# KiCad board EOutside.kicad_pcb (continued)
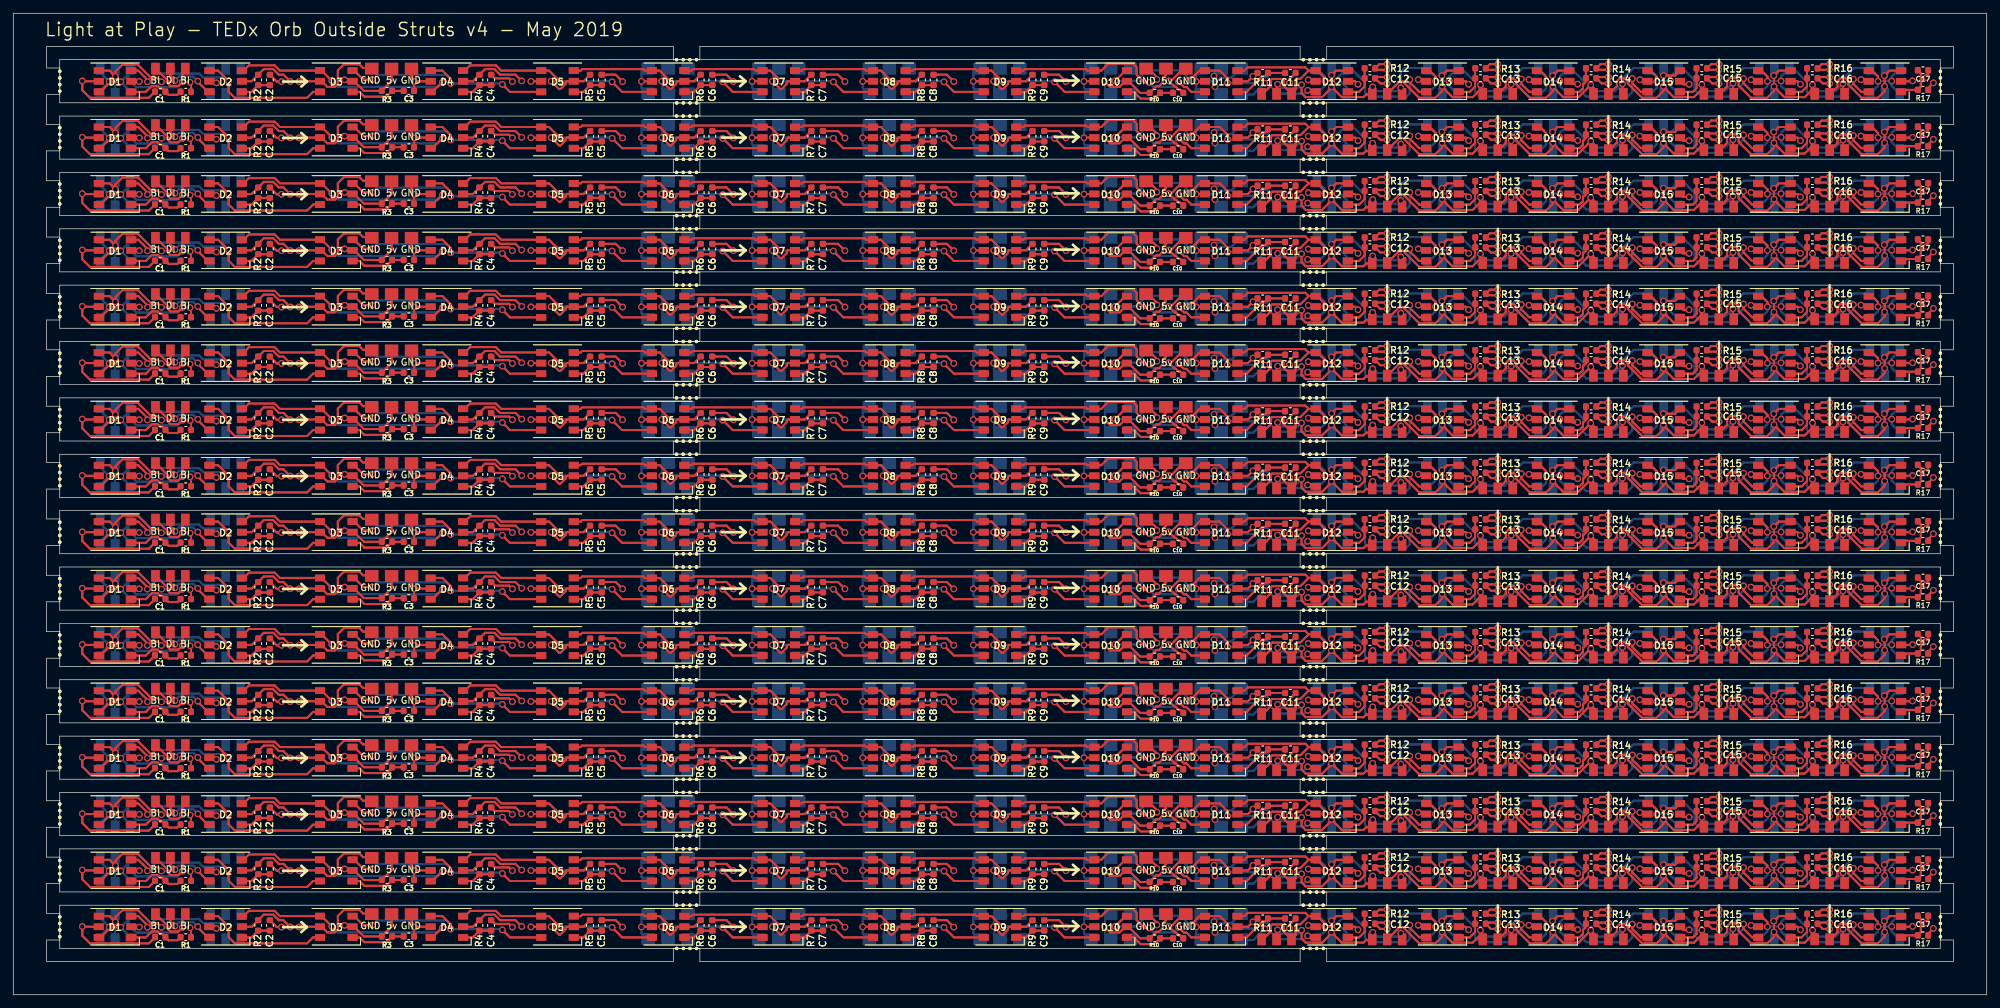
[diagram p0: board, top side]
## Routing (per net, layer and track width the routed paths; a pad name or vN(x,y) marks a point on that pad's centre or on a via; arc(x,y) is an arc through that point) (continued)
; 172.3,138.37 v1(172.3,138.03) 172.3,138.37 ; 192.3,138.1 C11.2 192.3,138.1 ; 192.3,138.1 v1(192.3,137.53) 192.3,138.1 ; 175.6,136.46 175.19,136.88 ; 175.6,136.46 175.83,136.46 ; 175.6,136.46 175.19,136.88 ; 175.6,136.46 175.83,136.46 ; 175.19,136.88 175.03,136.88 ; 175.19,136.88 175.03,136.88 ; 195.17,137.75 D12.5 195.17,137.75 ; 195.17,137.75 195.12,137.8 ; 195.17,137.75 195.12,137.8 ; 195.12,137.8 v1(195.12,137.95) 195.12,137.8 ; 47.32,136.9 46.47,137.75 ; 47.32,136.9 48.43,136.9 ; 47.32,136.9 48.43,136.9 ; 47.32,136.9 46.47,137.75 ; 46.47,137.75 D3.5 ; 46.47,137.75 D3.5 ; 72.54,138.19 C4.2 72.54,138.19 ; 72.54,138.19 74.71,138.19 ; 72.54,138.19 74.71,138.19 ; 74.71,138.19 v1(75.2,137.7) 74.71,138.19 ; 175.83,136.46 C10.2 175.83,136.46 ; 52.7,139.75 52.15,140.3 ; 52.7,139.75 54,139.75 52.7,139.75 ; 52.7,139.75 52.15,140.3 ; 52.15,140.3 49.82,140.3 ; 52.15,140.3 49.82,140.3 ; 48.9,137.37 48.43,136.9 ; 48.9,137.37 48.9,139.38 ; 48.9,137.37 48.43,136.9 ; 48.9,137.37 48.9,139.38 ; 48.9,139.38 49.82,140.3 ; 48.9,139.38 49.82,140.3 ; D3.5 43.09,137.75 ; D3.5 43.09,137.75 ; 43.09,137.75 v1(43.05,137.71) 43.09,137.75 ; 39.69,137.7 C2.2 39.69,137.7 ; 39.69,137.7 39.71,137.7 ; 39.69,137.7 39.71,137.7 ; 39.71,137.7 v1(40.42,137.7) 39.71,137.7 ; 90.76,138.74 C5.2 90.76,138.74 ; 90.76,138.74 91.3,138.2 ; 90.76,138.74 91.3,138.2 ; 91.3,138.2 v1(91.8,137.7) 91.3,138.2 ; 107.46,138.74 C6.2 107.46,138.74 ; 107.46,138.74 108,138.2 ; 107.46,138.74 108,138.2 ; 140.66,138.74 141.2,138.2 ; 140.66,138.74 C8.2 140.66,138.74 ; 140.66,138.74 141.2,138.2 ; 141.2,138.2 v1(141.7,137.7) 141.2,138.2 ; 124.26,138.74 124.8,138.2 ; 124.26,138.74 C7.2 124.26,138.74 ; 124.26,138.74 124.8,138.2 ; 124.8,138.2 v1(125.3,137.7) 124.8,138.2 ; 108,138.2 v1(108.5,137.7) 108,138.2 ; 157.56,138.74 158.1,138.2 ; 157.56,138.74 C9.2 157.56,138.74 ; 157.56,138.74 158.1,138.2 ; 158.1,138.2 v1(158.6,137.7) 158.1,138.2 ; 272.02,104.38 273.67,104.38 272.02,104.38 ; 272.02,104.38 C16#11.2 ; 272.02,104.38 C16#11.2 ; C16#11.2 272.62,103.43 ; C16#11.2 271.9,104.25 C16#11.2 ; C16#11.2 272.62,103.43 ; 272.62,103.43 273.67,103.43 272.62,103.43 ; 255.96,103.43 C15#11.2 ; 255.96,103.43 257,103.43 255.96,103.43 ; 255.96,103.43 C15#11.2 ; C15#11.2 255.36,104.38 ; C15#11.2 255.23,104.25 C15#11.2 ; C15#11.2 255.36,104.38 ; 255.36,104.38 257,104.38 255.36,104.38 ; 238.69,104.38 C14#12.2 ; 238.69,104.38 240.33,104.38 238.69,104.38 ; 238.69,104.38 C14#12.2 ; C14#12.2 239.29,103.43 ; C14#12.2 238.57,104.25 C14#12.2 ; C14#12.2 239.29,103.43 ; 239.29,103.43 240.33,103.43 239.29,103.43 ; 279.32,103.98 279.09,103.98 ; 279.32,103.98 279.55,103.75 279.32,103.98 ; 279.32,103.98 279.09,103.98 ; 279.09,103.98 v1(278.38,103.98) 279.09,103.98 ; 262.66,103.97 262.53,103.97 ; 262.66,103.97 D16#11.5 262.66,103.97 ; 262.66,103.97 262.53,103.97 ; 262.53,103.97 v1(261.82,103.97) 262.53,103.97 ; 245.78,103.98 v1(245.07,103.98) 245.78,103.98 ; 245.78,103.98 245.99,103.98 ; 245.78,103.98 245.99,103.98 ; 245.99,103.98 D15#12.5 245.99,103.98 ; 178.25,103.75 v1(178.22,103.72) 178.25,103.75 ; 178.25,103.75 D11#11.5 178.25,103.75 ; 176.38,105.75 176.67,105.75 176.38,105.75 ; 176.38,105.75 174.43,103.8 ; 176.38,105.75 174.43,103.8 ; 174.43,103.8 v1(174.1,103.8) ; 174.43,103.8 v1(174.1,103.8) ; v1(174.1,103.8) 175.03,102.88 ; v1(174.1,103.8) 175.03,102.88 ; 222.62,103.43 223.67,103.43 222.62,103.43 ; 222.62,103.43 221.85,104.2 ; 222.62,103.43 221.85,104.2 ; 222.02,104.38 223.67,104.38 222.02,104.38 ; 222.02,104.38 221.85,104.2 ; 222.02,104.38 221.85,104.2 ; 221.85,104.2 221.9,104.25 221.85,104.2 ; 205.96,103.43 207,103.43 205.96,103.43 ; 205.96,103.43 C12#12.2 ; 205.96,103.43 C12#12.2 ; 205.36,104.38 207,104.38 205.36,104.38 ; 205.36,104.38 C12#12.2 ; 205.36,104.38 C12#12.2 ; C12#12.2 205.23,104.25 C12#12.2 ; 228.5,103.75 D14#11.5 228.5,103.75 ; 228.5,103.75 228.35,103.9 ; 228.5,103.75 228.35,103.9 ; 228.35,103.9 v1(228.35,103.99) 228.35,103.9 ; 60.39,103.69 v1(60.4,103.7) ; 60.39,103.69 C3#13.2 60.39,103.69 ; 60.39,103.69 v1(60.4,103.7) ; v1(60.4,103.7) 60,104.1 ; v1(60.4,103.7) 60.45,103.75 ; v1(60.4,103.7) 60,104.1 ; v1(60.4,103.7) 60.45,103.75 ; 11.55,101.25 10.4,102.4 ; 11.55,101.25 20.42,101.25 ; 11.55,101.25 10.4,102.4 ; 11.55,101.25 20.42,101.25 ; 10.4,102.4 10.4,103.09 ; 10.4,102.4 10.4,103.09 ; 60,104.1 60,105.75 60,104.1 ; 20.42,101.25 C1#11.2 20.42,101.25 ; 60.45,103.75 D4#10.5 60.45,103.75 ; 10.4,103.09 v1(10.4,103.8) ; 10.4,103.09 v1(10.4,103.8) ; v1(10.4,103.8) 10.45,103.75 ; v1(10.4,103.8) 10.45,103.75 ; 288.52,104.57 C17#11.2 288.52,104.57 ; 288.52,104.57 v1(288.25,104.3) 288.52,104.57 ; 10.45,103.75 D1#14.5 10.45,103.75 ; 211.83,103.75 D13#11.5 211.83,103.75 ; 211.83,103.75 211.69,103.9 ; 211.83,103.75 211.69,103.9 ; 211.69,103.9 v1(211.69,103.99) 211.69,103.9 ; 30.6,103.75 30.61,103.74 ; 30.6,103.75 D2#12.5 30.6,103.75 ; 30.6,103.75 30.61,103.74 ; 30.61,103.74 v1(30.61,103.5) 30.61,103.74 ; 170.92,105.75 172.3,104.37 ; 170.92,105.75 170.67,105.75 170.92,105.75 ; 170.92,105.75 172.3,104.37 ; 172.3,104.37 v1(172.3,104.03) 172.3,104.37 ; 192.3,104.1 C11#12.2 192.3,104.1 ; 192.3,104.1 v1(192.3,103.53) 192.3,104.1 ; 175.6,102.46 175.19,102.88 ; 175.6,102.46 175.83,102.46 ; 175.6,102.46 175.19,102.88 ; 175.6,102.46 175.83,102.46 ; 175.19,102.88 175.03,102.88 ; 175.19,102.88 175.03,102.88 ; 195.17,103.75 D12#11.5 195.17,103.75 ; 195.17,103.75 195.12,103.8 ; 195.17,103.75 195.12,103.8 ; 195.12,103.8 v1(195.12,103.95) 195.12,103.8 ; 47.32,102.9 46.47,103.75 ; 47.32,102.9 48.43,102.9 ; 47.32,102.9 46.47,103.75 ; 47.32,102.9 48.43,102.9 ; 46.47,103.75 D3#11.5 ; 46.47,103.75 D3#11.5 ; 72.54,104.19 C4#13.2 72.54,104.19 ; 72.54,104.19 74.71,104.19 ; 72.54,104.19 74.71,104.19 ; 74.71,104.19 v1(75.2,103.7) 74.71,104.19 ; 175.83,102.46 C10#10.2 175.83,102.46 ; 52.7,105.75 52.15,106.3 ; 52.7,105.75 54,105.75 52.7,105.75 ; 52.7,105.75 52.15,106.3 ; 52.15,106.3 49.82,106.3 ; 52.15,106.3 49.82,106.3 ; 48.9,103.37 48.43,102.9 ; 48.9,103.37 48.9,105.38 ; 48.9,103.37 48.43,102.9 ; 48.9,103.37 48.9,105.38 ; 48.9,105.38 49.82,106.3 ; 48.9,105.38 49.82,106.3 ; D3#11.5 43.09,103.75 ; D3#11.5 43.09,103.75 ; 144.67,103.75 D9#11.5 144.67,103.75 ; 144.67,103.75 v1(144.65,103.73) 144.67,103.75 ; 161.34,103.75 D10#13.5 161.34,103.75 ; 161.34,103.75 v1(161.32,103.73) 161.34,103.75 ; 111.34,103.75 v1(111.32,103.73) 111.34,103.75 ; 111.34,103.75 D7#13.5 111.34,103.75 ; 43.09,103.75 v1(43.05,103.71) 43.09,103.75 ; 128.01,103.75 D8#13.5 128.01,103.75 ; 128.01,103.75 v1(127.99,103.73) 128.01,103.75 ; 39.69,103.7 C2#13.2 39.69,103.7 ; 39.69,103.7 39.71,103.7 ; 39.69,103.7 39.71,103.7 ; 39.71,103.7 v1(40.42,103.7) 39.71,103.7 ; 94.67,103.75 D6#14.5 94.67,103.75 ; 94.67,103.75 v1(94.65,103.73) 94.67,103.75 ; 78.01,103.75 v1(77.99,103.73) 78.01,103.75 ; 78.01,103.75 D5#11.5 78.01,103.75 ; 90.76,104.74 C5#13.2 90.76,104.74 ; 90.76,104.74 91.3,104.2 ; 90.76,104.74 91.3,104.2 ; 91.3,104.2 v1(91.8,103.7) 91.3,104.2 ; 107.46,104.74 C6#12.2 107.46,104.74 ; 107.46,104.74 108,104.2 ; 107.46,104.74 108,104.2 ; 140.66,104.74 141.2,104.2 ; 140.66,104.74 C8#12.2 140.66,104.74 ; 140.66,104.74 141.2,104.2 ; 141.2,104.2 v1(141.7,103.7) 141.2,104.2 ; 124.26,104.74 124.8,104.2 ; 124.26,104.74 C7#12.2 124.26,104.74 ; 124.26,104.74 124.8,104.2 ; 124.8,104.2 v1(125.3,103.7) 124.8,104.2 ; 108,104.2 v1(108.5,103.7) 108,104.2 ; 157.56,104.74 158.1,104.2 ; 157.56,104.74 C9#12.2 157.56,104.74 ; 157.56,104.74 158.1,104.2 ; 158.1,104.2 v1(158.6,103.7) 158.1,104.2 ; 239.29,94.93 C14#14.2 ; 239.29,94.93 240.33,94.93 239.29,94.93 ; 239.29,94.93 C14#14.2 ; C14#14.2 238.57,95.75 C14#14.2 ; C14#14.2 238.69,95.88 ; C14#14.2 238.69,95.88 ; 222.62,94.93 223.67,94.93 222.62,94.93 ; 222.62,94.93 221.85,95.7 ; 222.62,94.93 221.85,95.7 ; 222.02,95.88 223.67,95.88 222.02,95.88 ; 222.02,95.88 221.85,95.7 ; 222.02,95.88 221.85,95.7 ; 221.85,95.7 221.9,95.75 221.85,95.7 ; 205.96,94.93 207,94.93 205.96,94.93 ; 205.96,94.93 C12#15.2 ; 205.96,94.93 C12#15.2 ; 205.36,95.88 207,95.88 205.36,95.88 ; 205.36,95.88 C12#15.2 ; 205.36,95.88 C12#15.2 ; C12#15.2 205.23,95.75 C12#15.2 ; 228.5,95.25 D14#14.5 228.5,95.25 ; 228.5,95.25 228.35,95.4 ; 228.5,95.25 228.35,95.4 ; 228.35,95.4 v1(228.35,95.49) 228.35,95.4 ; 60.39,95.19 v1(60.4,95.2) ; 60.39,95.19 C3#12.2 60.39,95.19 ; 60.39,95.19 v1(60.4,95.2) ; v1(60.4,95.2) 60,95.6 ; v1(60.4,95.2) 60.45,95.25 ; v1(60.4,95.2) 60,95.6 ; v1(60.4,95.2) 60.45,95.25 ; 11.55,92.75 10.4,93.9 ; 11.55,92.75 20.42,92.75 ; 11.55,92.75 10.4,93.9 ; 11.55,92.75 20.42,92.75 ; 10.4,93.9 10.4,94.59 ; 10.4,93.9 10.4,94.59 ; 60,95.6 60,97.25 60,95.6 ; 20.42,92.75 C1#15.2 20.42,92.75 ; 60.45,95.25 D4#11.5 60.45,95.25 ; 10.4,94.59 v1(10.4,95.3) ; 10.4,94.59 v1(10.4,95.3) ; v1(10.4,95.3) 10.45,95.25 ; v1(10.4,95.3) 10.45,95.25 ; 288.52,96.07 C17#13.2 288.52,96.07 ; 288.52,96.07 v1(288.25,95.8) 288.52,96.07 ; 10.45,95.25 D1#11.5 10.45,95.25 ; 211.83,95.25 D13#14.5 211.83,95.25 ; 211.83,95.25 211.69,95.4 ; 211.83,95.25 211.69,95.4 ; 211.69,95.4 v1(211.69,95.49) 211.69,95.4 ; 30.6,95.25 30.61,95.24 ; 30.6,95.25 D2#14.5 30.6,95.25 ; 30.6,95.25 30.61,95.24 ; 30.61,95.24 v1(30.61,95) 30.61,95.24 ; 170.92,97.25 172.3,95.87 ; 170.92,97.25 170.67,97.25 170.92,97.25 ; 170.92,97.25 172.3,95.87 ; 172.3,95.87 v1(172.3,95.53) 172.3,95.87 ; 192.3,95.6 C11#15.2 192.3,95.6 ; 192.3,95.6 v1(192.3,95.03) 192.3,95.6 ; 175.6,93.96 175.19,94.38 ; 175.6,93.96 175.83,93.96 ; 175.6,93.96 175.19,94.38 ; 175.6,93.96 175.83,93.96 ; 175.19,94.38 175.03,94.38 ; 175.19,94.38 175.03,94.38 ; 175.03,94.38 v1(174.1,95.3) ; 175.03,94.38 v1(174.1,95.3) ; 195.17,95.25 D12#15.5 195.17,95.25 ; 195.17,95.25 195.12,95.3 ; 195.17,95.25 195.12,95.3 ; 195.12,95.3 v1(195.12,95.45) 195.12,95.3 ; 47.32,94.4 46.47,95.25 ; 47.32,94.4 48.43,94.4 ; 47.32,94.4 46.47,95.25 ; 47.32,94.4 48.43,94.4 ; 46.47,95.25 D3#13.5 ; 46.47,95.25 D3#13.5 ; 72.54,95.69 C4#12.2 72.54,95.69 ; 72.54,95.69 74.71,95.69 ; 72.54,95.69 74.71,95.69 ; 74.71,95.69 v1(75.2,95.2) 74.71,95.69 ; v1(174.1,95.3) 174.43,95.3 ; v1(174.1,95.3) 174.43,95.3 ; 175.83,93.96 C10#11.2 175.83,93.96 ; 52.7,97.25 52.15,97.8 ; 52.7,97.25 54,97.25 52.7,97.25 ; 52.7,97.25 52.15,97.8 ; 52.15,97.8 49.82,97.8 ; 52.15,97.8 49.82,97.8 ; 48.9,94.87 48.43,94.4 ; 48.9,94.87 48.9,96.88 ; 48.9,94.87 48.43,94.4 ; 48.9,94.87 48.9,96.88 ; 48.9,96.88 49.82,97.8 ; 48.9,96.88 49.82,97.8 ; D3#13.5 43.09,95.25 ; D3#13.5 43.09,95.25 ; 144.67,95.25 D9#14.5 144.67,95.25 ; 144.67,95.25 v1(144.65,95.23) 144.67,95.25 ; 161.34,95.25 D10#15.5 161.34,95.25 ; 161.34,95.25 v1(161.32,95.23) 161.34,95.25 ; 111.34,95.25 v1(111.32,95.23) 111.34,95.25 ; 111.34,95.25 D7#15.5 111.34,95.25 ; 43.09,95.25 v1(43.05,95.21) 43.09,95.25 ; 128.01,95.25 D8#15.5 128.01,95.25 ; 128.01,95.25 v1(127.99,95.23) 128.01,95.25 ; 39.69,95.2 C2#12.2 39.69,95.2 ; 39.69,95.2 39.71,95.2 ; 39.69,95.2 39.71,95.2 ; 39.71,95.2 v1(40.42,95.2) 39.71,95.2 ; 94.67,95.25 D6#13.5 94.67,95.25 ; 94.67,95.25 v1(94.65,95.23) 94.67,95.25 ; 78.01,95.25 v1(77.99,95.23) 78.01,95.25 ; 78.01,95.25 D5#15.5 78.01,95.25 ; 90.76,96.24 C5#12.2 90.76,96.24 ; 90.76,96.24 91.3,95.7 ; 90.76,96.24 91.3,95.7 ; 91.3,95.7 v1(91.8,95.2) 91.3,95.7 ; 107.46,96.24 C6#14.2 107.46,96.24 ; 107.46,96.24 108,95.7 ; 107.46,96.24 108,95.7 ; 140.66,96.24 141.2,95.7 ; 140.66,96.24 C8#14.2 140.66,96.24 ; 140.66,96.24 141.2,95.7 ; 141.2,95.7 v1(141.7,95.2) 141.2,95.7 ; 124.26,96.24 124.8,95.7 ; 124.26,96.24 C7#14.2 124.26,96.24 ; 124.26,96.24 124.8,95.7 ; 124.8,95.7 v1(125.3,95.2) 124.8,95.7 ; 108,95.7 v1(108.5,95.2) 108,95.7 ; 157.56,96.24 158.1,95.7 ; 157.56,96.24 C9#14.2 157.56,96.24 ; 157.56,96.24 158.1,95.7 ; 158.1,95.7 v1(158.6,95.2) 158.1,95.7 ; 279.32,95.48 279.55,95.25 279.32,95.48 ; 279.32,95.48 279.09,95.48 ; 279.32,95.48 279.09,95.48 ; 279.09,95.48 v1(278.38,95.48) 279.09,95.48 ; 174.43,95.3 176.38,97.25 ; 174.43,95.3 176.38,97.25 ; 272.62,94.93 273.67,94.93 272.62,94.93 ; 272.62,94.93 C16#13.2 ; 272.62,94.93 C16#13.2 ; 176.38,97.25 176.67,97.25 176.38,97.25 ; 178.25,95.25 D11#15.5 178.25,95.25 ; 178.25,95.25 v1(178.22,95.22) 178.25,95.25 ; 262.66,95.47 262.53,95.47 ; 262.66,95.47 D16#13.5 262.66,95.47 ; 262.66,95.47 262.53,95.47 ; 262.53,95.47 v1(261.82,95.47) 262.53,95.47 ; 245.99,95.48 245.78,95.48 ; 245.99,95.48 D15#14.5 245.99,95.48 ; 245.99,95.48 245.78,95.48 ; 245.78,95.48 v1(245.07,95.48) 245.78,95.48 ; 255.36,95.88 257,95.88 255.36,95.88 ; 255.36,95.88 C15#15.2 ; 255.36,95.88 C15#15.2 ; 238.69,95.88 240.33,95.88 238.69,95.88 ; 272.02,95.88 C16#13.2 ; 272.02,95.88 273.67,95.88 272.02,95.88 ; 272.02,95.88 C16#13.2 ; C16#13.2 271.9,95.75 C16#13.2 ; C15#15.2 255.23,95.75 C15#15.2 ; C15#15.2 255.96,94.93 ; C15#15.2 255.96,94.93 ; 255.96,94.93 257,94.93 255.96,94.93 ; 272.62,77.93 273.67,77.93 272.62,77.93 ; 272.62,77.93 C16#10.2 ; 272.62,77.93 C16#10.2 ; 174.43,78.3 176.38,80.25 ; 174.43,78.3 v1(174.1,78.3) ; 174.43,78.3 v1(174.1,78.3) ; 174.43,78.3 176.38,80.25 ; 176.38,80.25 176.67,80.25 176.38,80.25 ; 178.25,78.25 D11#13.5 178.25,78.25 ; 178.25,78.25 v1(178.22,78.22) 178.25,78.25 ; 262.66,78.47 262.53,78.47 ; 262.66,78.47 D16#10.5 262.66,78.47 ; 262.66,78.47 262.53,78.47 ; 262.53,78.47 v1(261.82,78.47) 262.53,78.47 ; 245.99,78.48 245.78,78.48 ; 245.99,78.48 D15#11.5 245.99,78.48 ; 245.99,78.48 245.78,78.48 ; 245.78,78.48 v1(245.07,78.48) 245.78,78.48 ; 239.29,77.93 240.33,77.93 239.29,77.93 ; 239.29,77.93 C14#11.2 ; 239.29,77.93 C14#11.2 ; 279.32,78.48 279.09,78.48 ; 279.32,78.48 279.55,78.25 279.32,78.48 ; 279.32,78.48 279.09,78.48 ; 279.09,78.48 v1(278.38,78.48) 279.09,78.48 ; 255.36,78.88 257,78.88 255.36,78.88 ; 255.36,78.88 C15#10.2 ; 255.36,78.88 C15#10.2 ; 238.69,78.88 240.33,78.88 238.69,78.88 ; 238.69,78.88 C14#11.2 ; 238.69,78.88 C14#11.2 ; 272.02,78.88 C16#10.2 ; 272.02,78.88 273.67,78.88 272.02,78.88 ; 272.02,78.88 C16#10.2 ; C16#10.2 271.9,78.75 C16#10.2 ; C15#10.2 255.23,78.75 C15#10.2 ; C15#10.2 255.96,77.93 ; C15#10.2 255.96,77.93 ; C14#11.2 238.57,78.75 C14#11.2 ; 255.96,77.93 257,77.93 255.96,77.93 ; v1(174.1,78.3) 175.03,77.38 ; v1(174.1,78.3) 175.03,77.38 ; 91.3,78.7 v1(91.8,78.2) 91.3,78.7 ; 91.3,78.7 90.76,79.24 ; 91.3,78.7 90.76,79.24 ; 107.46,79.24 C6#10.2 107.46,79.24 ; 107.46,79.24 108,78.7 ; 107.46,79.24 108,78.7 ; 140.66,79.24 141.2,78.7 ; 140.66,79.24 C8#10.2 140.66,79.24 ; 140.66,79.24 141.2,78.7 ; 141.2,78.7 v1(141.7,78.2) 141.2,78.7 ; 90.76,79.24 C5#9.2 90.76,79.24 ; 124.26,79.24 124.8,78.7 ; 124.26,79.24 C7#10.2 124.26,79.24 ; 124.26,79.24 124.8,78.7 ; 124.8,78.7 v1(125.3,78.2) 124.8,78.7 ; 108,78.7 v1(108.5,78.2) 108,78.7 ; 78.01,78.25 D5#9.5 78.01,78.25 ; 78.01,78.25 v1(77.99,78.23) 78.01,78.25 ; 157.56,79.24 158.1,78.7 ; 157.56,79.24 C9#10.2 157.56,79.24 ; 157.56,79.24 158.1,78.7 ; 158.1,78.7 v1(158.6,78.2) 158.1,78.7 ; 94.67,78.25 D6#9.5 94.67,78.25 ; 94.67,78.25 v1(94.65,78.23) 94.67,78.25 ; 222.62,77.93 223.67,77.93 222.62,77.93 ; 222.62,77.93 221.85,78.7 ; 222.62,77.93 221.85,78.7 ; 222.02,78.88 223.67,78.88 222.02,78.88 ; 222.02,78.88 221.85,78.7 ; 222.02,78.88 221.85,78.7 ; 221.85,78.7 221.9,78.75 221.85,78.7 ; 205.96,77.93 207,77.93 205.96,77.93 ; 205.96,77.93 C12#10.2 ; 205.96,77.93 C12#10.2 ; 205.36,78.88 207,78.88 205.36,78.88 ; 205.36,78.88 C12#10.2 ; 205.36,78.88 C12#10.2 ; C12#10.2 205.23,78.75 C12#10.2 ; 228.5,78.25 D14#10.5 228.5,78.25 ; 228.5,78.25 228.35,78.4 ; 228.5,78.25 228.35,78.4 ; 228.35,78.4 v1(228.35,78.49) 228.35,78.4 ; 60.39,78.19 v1(60.4,78.2) ; 60.39,78.19 C3#9.2 60.39,78.19 ; 60.39,78.19 v1(60.4,78.2) ; v1(60.4,78.2) 60,78.6 ; v1(60.4,78.2) 60.45,78.25 ; v1(60.4,78.2) 60,78.6 ; v1(60.4,78.2) 60.45,78.25 ; 11.55,75.75 10.4,76.9 ; 11.55,75.75 20.42,75.75 ; 11.55,75.75 10.4,76.9 ; 11.55,75.75 20.42,75.75 ; 10.4,76.9 10.4,77.59 ; 10.4,76.9 10.4,77.59 ; 60,78.6 60,80.25 60,78.6 ; 20.42,75.75 C1#10.2 20.42,75.75 ; 60.45,78.25 D4#14.5 60.45,78.25 ; 10.4,77.59 v1(10.4,78.3) ; 10.4,77.59 v1(10.4,78.3) ; v1(10.4,78.3) 10.45,78.25 ; v1(10.4,78.3) 10.45,78.25 ; 288.52,79.07 C17#10.2 288.52,79.07 ; 288.52,79.07 v1(288.25,78.8) 288.52,79.07 ; 10.45,78.25 D1#9.5 10.45,78.25 ; 211.83,78.25 D13#9.5 211.83,78.25 ; 211.83,78.25 211.69,78.4 ; 211.83,78.25 211.69,78.4 ; 211.69,78.4 v1(211.69,78.49) 211.69,78.4 ; 30.6,78.25 30.61,78.24 ; 30.6,78.25 D2#11.5 30.6,78.25 ; 30.6,78.25 30.61,78.24 ; 30.61,78.24 v1(30.61,78) 30.61,78.24 ; 170.92,80.25 172.3,78.87 ; 170.92,80.25 170.67,80.25 170.92,80.25 ; 170.92,80.25 172.3,78.87 ; 172.3,78.87 v1(172.3,78.53) 172.3,78.87 ; 192.3,78.6 C11#10.2 192.3,78.6 ; 192.3,78.6 v1(192.3,78.03) 192.3,78.6 ; 175.6,76.96 175.19,77.38 ; 175.6,76.96 175.83,76.96 ; 175.6,76.96 175.19,77.38 ; 175.6,76.96 175.83,76.96 ; 175.19,77.38 175.03,77.38 ; 175.19,77.38 175.03,77.38 ; 195.17,78.25 D12#13.5 195.17,78.25 ; 195.17,78.25 195.12,78.3 ; 195.17,78.25 195.12,78.3 ; 195.12,78.3 v1(195.12,78.45) 195.12,78.3 ; 47.32,77.4 46.47,78.25 ; 47.32,77.4 48.43,77.4 ; 47.32,77.4 46.47,78.25 ; 47.32,77.4 48.43,77.4 ; 46.47,78.25 D3#10.5 ; 46.47,78.25 D3#10.5 ; 72.54,78.69 C4#9.2 72.54,78.69 ; 72.54,78.69 74.71,78.69 ; 72.54,78.69 74.71,78.69 ; 74.71,78.69 v1(75.2,78.2) 74.71,78.69 ; 175.83,76.96 C10#12.2 175.83,76.96 ; 52.7,80.25 52.15,80.8 ; 52.7,80.25 54,80.25 52.7,80.25 ; 52.7,80.25 52.15,80.8 ; 52.15,80.8 49.82,80.8 ; 52.15,80.8 49.82,80.8 ; 48.9,77.87 48.43,77.4 ; 48.9,77.87 48.9,79.88 ; 48.9,77.87 48.43,77.4 ; 48.9,77.87 48.9,79.88 ; 48.9,79.88 49.82,80.8 ; 48.9,79.88 49.82,80.8 ; D3#10.5 43.09,78.25 ; D3#10.5 43.09,78.25 ; 144.67,78.25 D9#12.5 144.67,78.25 ; 144.67,78.25 v1(144.65,78.23) 144.67,78.25 ; 161.34,78.25 D10#10.5 161.34,78.25 ; 161.34,78.25 v1(161.32,78.23) 161.34,78.25 ; 111.34,78.25 v1(111.32,78.23) 111.34,78.25 ; 111.34,78.25 D7#10.5 111.34,78.25 ; 43.09,78.25 v1(43.05,78.21) 43.09,78.25 ; 128.01,78.25 D8#10.5 128.01,78.25 ; 128.01,78.25 v1(127.99,78.23) 128.01,78.25 ; 39.69,78.2 C2#9.2 39.69,78.2 ; 39.69,78.2 39.71,78.2 ; 39.69,78.2 39.71,78.2 ; 39.71,78.2 v1(40.42,78.2) 39.71,78.2 ; 78.01,86.75 v1(77.99,86.73) 78.01,86.75 ; 78.01,86.75 D5#10.5 78.01,86.75 ; 90.76,87.74 C5#10.2 90.76,87.74 ; 90.76,87.74 91.3,87.2 ; 90.76,87.74 91.3,87.2 ; 91.3,87.2 v1(91.8,86.7) 91.3,87.2 ; 107.46,87.74 C6#9.2 107.46,87.74 ; 107.46,87.74 108,87.2 ; 107.46,87.74 108,87.2 ; 140.66,87.74 141.2,87.2 ; 140.66,87.74 C8#9.2 140.66,87.74 ; 140.66,87.74 141.2,87.2 ; 141.2,87.2 v1(141.7,86.7) 141.2,87.2 ; 124.26,87.74 124.8,87.2 ; 124.26,87.74 C7#9.2 124.26,87.74 ; 124.26,87.74 124.8,87.2 ; 124.8,87.2 v1(125.3,86.7) 124.8,87.2 ; 108,87.2 v1(108.5,86.7) 108,87.2 ; 157.56,87.74 158.1,87.2 ; 157.56,87.74 C9#9.2 157.56,87.74 ; 157.56,87.74 158.1,87.2 ; 158.1,87.2 v1(158.6,86.7) 158.1,87.2 ; 279.32,86.98 279.55,86.75 279.32,86.98 ; 279.32,86.98 279.09,86.98 ; 279.32,86.98 279.09,86.98 ; 279.09,86.98 v1(278.38,86.98) 279.09,86.98 ; 239.29,86.43 C14#9.2 ; 239.29,86.43 240.33,86.43 239.29,86.43 ; 239.29,86.43 C14#9.2 ; C14#9.2 238.57,87.25 C14#9.2 ; C14#9.2 238.69,87.38 ; C14#9.2 238.69,87.38 ; 222.62,86.43 223.67,86.43 222.62,86.43 ; 222.62,86.43 221.85,87.2 ; 222.62,86.43 221.85,87.2 ; 222.02,87.38 223.67,87.38 222.02,87.38 ; 222.02,87.38 221.85,87.2 ; 222.02,87.38 221.85,87.2 ; 221.85,87.2 221.9,87.25 221.85,87.2 ; 205.96,86.43 207,86.43 205.96,86.43 ; 205.96,86.43 C12#9.2 ; 205.96,86.43 C12#9.2 ; 205.36,87.38 207,87.38 205.36,87.38 ; 205.36,87.38 C12#9.2 ; 205.36,87.38 C12#9.2 ; C12#9.2 205.23,87.25 C12#9.2 ; 228.5,86.75 D14#9.5 228.5,86.75 ; 228.5,86.75 228.35,86.9 ; 228.5,86.75 228.35,86.9 ; 228.35,86.9 v1(228.35,86.99) 228.35,86.9 ; 60.39,86.69 v1(60.4,86.7) ; 60.39,86.69 C3#10.2 60.39,86.69 ; 60.39,86.69 v1(60.4,86.7) ; v1(60.4,86.7) 60,87.1 ; v1(60.4,86.7) 60.45,86.75 ; v1(60.4,86.7) 60,87.1 ; v1(60.4,86.7) 60.45,86.75 ; 11.55,84.25 10.4,85.4 ; 11.55,84.25 20.42,84.25 ; 11.55,84.25 10.4,85.4 ; 11.55,84.25 20.42,84.25 ; 10.4,85.4 10.4,86.09 ; 10.4,85.4 10.4,86.09 ; 60,87.1 60,88.75 60,87.1 ; 20.42,84.25 C1#9.2 20.42,84.25 ; 60.45,86.75 D4#9.5 60.45,86.75 ; 10.4,86.09 v1(10.4,86.8) ; 10.4,86.09 v1(10.4,86.8) ; v1(10.4,86.8) 10.45,86.75 ; v1(10.4,86.8) 10.45,86.75 ; 288.52,87.57 C17#9.2 288.52,87.57 ; 288.52,87.57 